# Altium PCB 0020-03_FFT2G.PcbDoc (part 2 of 16)
Units mm, origin at the board's own origin, x right, y up, seen from the top; angles counter-clockwise.
Board outline 195 x 104.5 mm, 12 copper layers (Top Layer, GND1, LVDS1, PWR1, LVDS2, PWR2, LVDS3, PWR3, SIG1, SIG2, GND2, Bottom Layer), stack 1.422 mm thick; 721 components, 650 nets, 4014 pads, 3497 vias.
Unrouted connection lines stored in the file: 78.
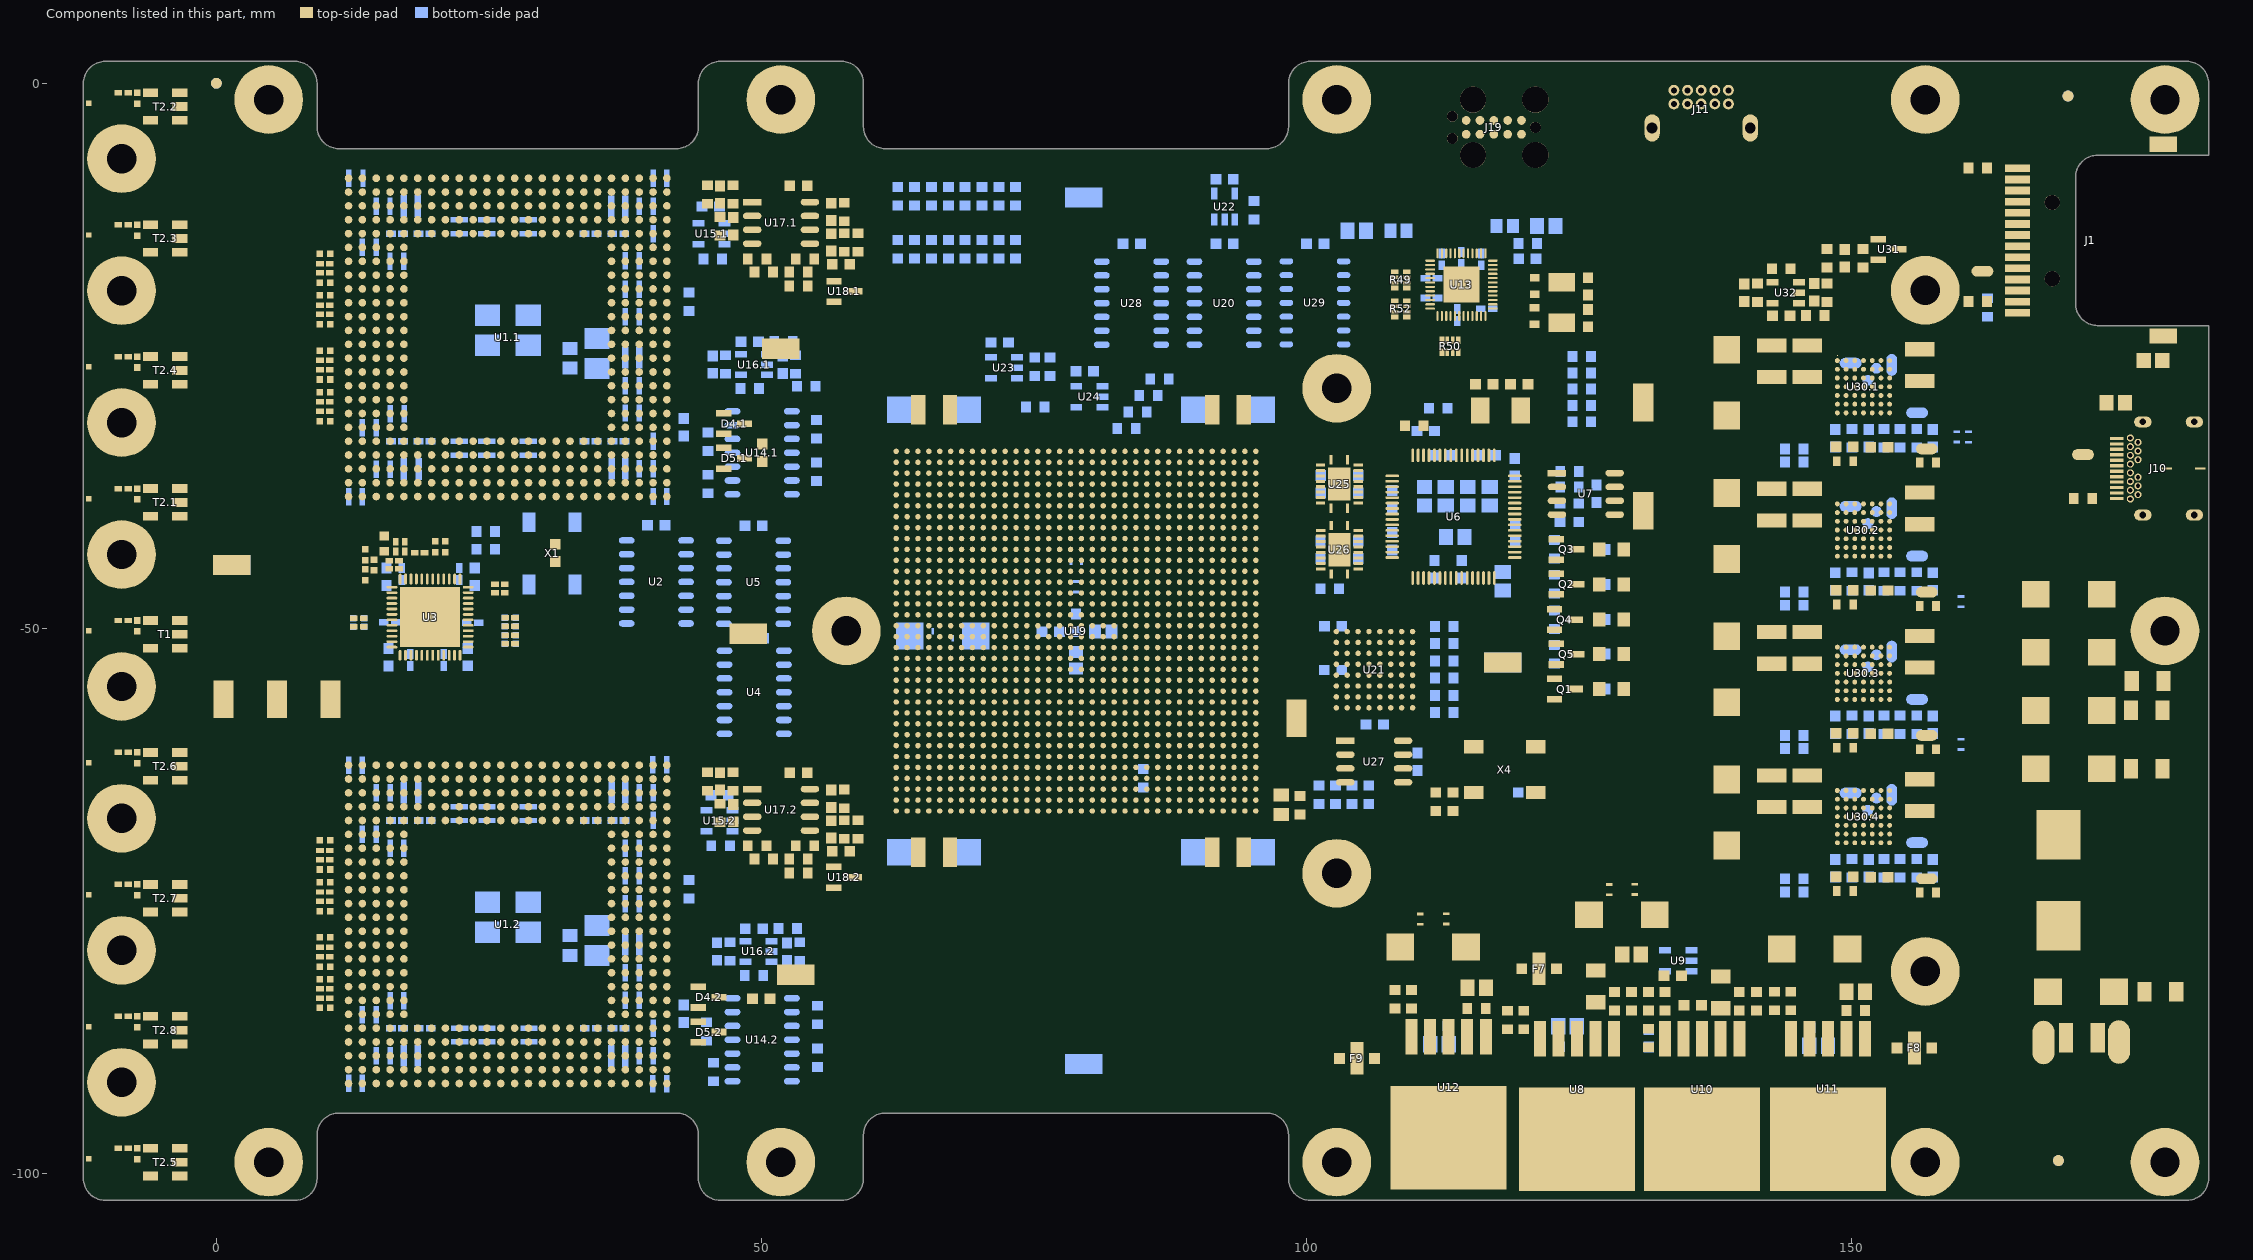
[diagram p12: the components of this part, seen from the top]

## Components (designator, comment, footprint, x,y, rotation, side; value= is the part's Value field where it differs from the comment) (continued)
C180 "100n 10% 50V X7R" CAPC1608X90N 110.207,-62.266 r90 bottom
C181 "100n 10% 50V X7R" CAPC1608X90N 83.998,-14.74 r0 bottom
C182 "100n 10% 50V X7R" CAPC1608X90N 100.83,-14.74 r0 bottom
C183 "150u 20% 16V" CAPMP7343X43N 171.1,-83.375 r0 top
C184 "330u 20% 16V" CAPMP7343X43N 169.967,-52.225 r0 top
C185 "4u7 10% 25V X7R" CAPC3225X270N 171.175,-87.6 r0 top
C187.1 "47u 10% 6.3V X7R" CAPC3225X270N 145.991,-25.512 r90 top (schematic designator C187)
C187.2 "47u 10% 6.3V X7R" CAPC3225X270N 145.991,-38.662 r90 top (schematic designator C187)
C187.3 "47u 10% 6.3V X7R" CAPC3225X270N 145.991,-51.811 r90 top (schematic designator C187)
C187.4 "47u 10% 6.3V X7R" CAPC3225X270N 145.991,-64.96 r90 top (schematic designator C187)
C188.1 "47u 10% 6.3V X7R" CAPC3225X270N 142.714,-25.512 r90 top (schematic designator C188)
C188.2 "47u 10% 6.3V X7R" CAPC3225X270N 142.714,-38.662 r90 top (schematic designator C188)
C188.3 "47u 10% 6.3V X7R" CAPC3225X270N 142.714,-51.811 r90 top (schematic designator C188)
C188.4 "47u 10% 6.3V X7R" CAPC3225X270N 142.714,-64.96 r90 top (schematic designator C188)
C189 "47u 10% 6.3V X7R" CAPC3225X270N 92.824,-70.572 r0 top
C190 "47u 10% 6.3V X7R" CAPC3225X270N 65.851,-70.572 r180 top
C191 "47u 10% 6.3V X7R" CAPC3225X270N 65.851,-29.957 r180 top
C192 "47u 10% 6.3V X7R" CAPC3225X270N 92.824,-29.957 r0 top
C193.1 "330u 20% 16V" CAPMP7343X43N 138.575,-27.475 r90 top (schematic designator C193)
C193.2 "330u 20% 16V" CAPMP7343X43N 138.575,-40.624 r90 top (schematic designator C193)
C193.3 "330u 20% 16V" CAPMP7343X43N 138.575,-53.773 r90 top (schematic designator C193)
C193.4 "330u 20% 16V" CAPMP7343X43N 138.575,-66.922 r90 top (schematic designator C193)
C194 "150u 20% 16V" CAPMP7343X43N 169.967,-46.9 r0 top
C195.1 "22u 10% 16V X7R" CAPC3225X270N 156.303,-25.868 r90 top (schematic designator C195)
C195.2 "22u 10% 16V X7R" CAPC3225X270N 156.303,-39.017 r90 top (schematic designator C195)
C195.3 "22u 10% 16V X7R" CAPC3225X270N 156.303,-52.166 r90 top (schematic designator C195)
C195.4 "22u 10% 16V X7R" CAPC3225X270N 156.303,-65.316 r90 top (schematic designator C195)
C197.1 "27p 10% 50V C0G" CAPC1608X90N 148.556,-32.574 r270 bottom (schematic designator C197)
C197.2 "27p 10% 50V C0G" CAPC1608X90N 148.556,-45.723 r270 bottom (schematic designator C197)
C197.3 "27p 10% 50V C0G" CAPC1608X90N 148.556,-58.872 r270 bottom (schematic designator C197)
C197.4 "27p 10% 50V C0G" CAPC1608X90N 148.556,-72.021 r270 bottom (schematic designator C197)
C198.1 "6p8 10% 50V C0G" CAPC1608X90N 149.395,-33.361 r0 top (schematic designator C198)
C198.2 "6p8 10% 50V C0G" CAPC1608X90N 149.395,-46.51 r0 top (schematic designator C198)
C198.3 "6p8 10% 50V C0G" CAPC1608X90N 149.395,-59.659 r0 top (schematic designator C198)
C198.4 "6p8 10% 50V C0G" CAPC1608X90N 149.395,-72.809 r0 top (schematic designator C198)
C199.1 "100n 10% 50V X7R" CAPC1608X90N 157.497,-32.574 r270 bottom (schematic designator C199)
C199.2 "100n 10% 50V X7R" CAPC1608X90N 157.497,-45.723 r270 bottom (schematic designator C199)
C199.3 "100n 10% 50V X7R" CAPC1608X90N 157.497,-58.872 r270 bottom (schematic designator C199)
C199.4 "470n 10% 6.3V X7R" CAPC1608X90N 157.497,-72.021 r270 bottom (schematic designator C199)
C200.1 "100p 10% 50V C0G" CAPC1608X90N 151.625,-32.575 r270 bottom (schematic designator C200)
C200.2 "100p 10% 50V C0G" CAPC1608X90N 151.625,-45.724 r270 bottom (schematic designator C200)
C200.3 "100p 10% 50V C0G" CAPC1608X90N 151.625,-58.873 r270 bottom (schematic designator C200)
C200.4 "100p 10% 50V C0G" CAPC1608X90N 151.625,-72.022 r270 bottom (schematic designator C200)
C201.1 "100n 10% 50V X7R" CAPC1608X90N 152.601,-33.399 r0 top (schematic designator C201)
C201.2 "100n 10% 50V X7R" CAPC1608X90N 152.601,-46.548 r0 top (schematic designator C201)
C201.3 "100n 10% 50V X7R" CAPC1608X90N 152.601,-59.697 r0 top (schematic designator C201)
C201.4 "100n 10% 50V X7R" CAPC1608X90N 152.601,-72.846 r0 top (schematic designator C201)
C202 "1n0 10% 50V C0G" CAPC1608X90N 146.626,-19.19 r90 top
C203 "100n 10% 50V X7R" CAPC1608X90N 143.6,-21.325 r180 top
C204 "100n 10% 50V X7R" CAPC1608X90N 149.425,-16.075 r90 top
C205 "1n0 10% 50V C0G" CAPC1608X90N 140.2,-19.225 r90 top
D1 "LED 0805 GREEN" LED2012-GREEN 128.031,-55.586 r0 top
D2 "LED 0805 RED" LED2012-RED 128.031,-45.994 r180 top
D3 "LED 0805 GREEN" LED2012-GREEN 128.031,-42.775 r180 top
D4.1 "BAV99,235" SOT95P230X110-3N 47.498,-31.234 r0 top (schematic designator D4)
D4.2 "BAV99,235" SOT95P230X110-3N 45.173,-83.859 r0 top (schematic designator D4)
D5.1 "BAV99,235" SOT95P230X110-3N 47.498,-34.409 r0 top (schematic designator D5)
D5.2 "BAV99,235" SOT95P230X110-3N 45.173,-87.059 r0 top (schematic designator D5)
D6 "LED 0805 GREEN" LED2012-GREEN 128.031,-49.21 r0 top
D7 "LED 0805 RED" LED2012-RED 128.031,-52.389 r180 top
F1 "30.0 Ω  @  100.0MHz" INDC2012X11L 78.88,-52.932 r90 bottom
F2 "30.0 Ω  @  100.0MHz" INDC2012X11L 81.382,-50.303 r0 bottom
F3 "30.0 Ω  @  100.0MHz" INDC2012X11N 177.7,-25.45 r0 top
F4 "30.0 Ω  @  100.0MHz" INDC2012X11N 174.275,-29.325 r0 top
F5 "30.0 Ω  @  100.0MHz" INDC2012X11N 114.821,-37.894 r90 bottom
F6 "30.0 Ω  @  100.0MHz" INDC2012X11N 110.858,-37.896 r90 bottom
F7 "2n2 25V/6A" FIL_NFE31P 121.378,-81.25 r180 top
F8 "2n2 25V/6A" FIL_NFE31P 155.8,-88.525 r0 top
F9 "2n2 25V/6A" FIL_NFE31P 104.65,-89.475 r180 top
F12 "30.0 Ω  @  100.0MHz" INDC2012X11L 108.467,-13.533 r0 bottom
F13 "30.0 Ω  @  100.0MHz" INDC2012X11L 118.222,-13.1 r180 bottom
FID1 "FID" FID 169.9,-1.175 r0 top
FID2 "FID" FID 0,0 r90 top
FID3 "FID" FID 169.025,-98.85 r90 top
J1 "7498111120R" 7498111120R-Footprint-1 175.41,-14.44 r90 top
J2 "IOPAD" SMT_IO_PAD_0.5x0.5MM -11.7,-38.143 r0 top
J3 "IOPAD" SMT_IO_PAD_0.5x0.5MM -11.7,-26.036 r0 top
J4 "IOPAD" SMT_IO_PAD_0.5x0.5MM -11.7,-13.928 r0 top
J5 "IOPAD" SMT_IO_PAD_0.5x0.5MM -11.7,-1.821 r0 top
J6 "IOPAD" SMT_IO_PAD_0.5x0.5MM -11.7,-98.678 r0 top
J7 "IOPAD" SMT_IO_PAD_0.5x0.5MM -11.7,-86.571 r0 top
J8 "IOPAD" SMT_IO_PAD_0.5x0.5MM -11.7,-74.464 r0 top
J9 "IOPAD" SMT_IO_PAD_0.5x0.5MM -11.7,-62.357 r0 top
J10 "632723300011" 632723300011 180.3,-35.349 r90 top
J11 "G125-MH11005L5P" G125-MH11005L5P-Footprint-1 136.242,-1.275 r0 top
J12.1 "IOPAD" SMT_IO_PAD_2x1MM 156.95,-33.55 r0 top (schematic designator J12)
J12.2 "IOPAD" SMT_IO_PAD_2x1MM 156.95,-46.699 r0 top (schematic designator J12)
J12.3 "IOPAD" SMT_IO_PAD_2x1MM 156.95,-59.848 r0 top (schematic designator J12)
J12.4 "IOPAD" SMT_IO_PAD_2x1MM 156.95,-72.997 r0 top (schematic designator J12)
J13.1 "IOPAD" SMT_IO_PAD_2x1MM 153.725,-25.85 r270 bottom (schematic designator J13)
J13.2 "IOPAD" SMT_IO_PAD_2x1MM 153.725,-38.999 r270 bottom (schematic designator J13)
J13.3 "IOPAD" SMT_IO_PAD_2x1MM 153.725,-52.148 r270 bottom (schematic designator J13)
J13.4 "IOPAD" SMT_IO_PAD_2x1MM 153.725,-65.297 r270 bottom (schematic designator J13)
J14.1 "TS+" TP-SMD_1MM 151.538,-27.263 r270 bottom (schematic designator J14)
J14.2 "TS+" TP-SMD_1MM 151.538,-40.412 r270 bottom (schematic designator J14)
J14.3 "TS+" TP-SMD_1MM 151.538,-53.561 r270 bottom (schematic designator J14)
J14.4 "TS+" TP-SMD_1MM 151.538,-66.71 r270 bottom (schematic designator J14)
J15 "IOPAD" SMT_IO_PAD_0.5x0.5MM -11.7,-50.25 r0 top
J16.1 "IOPAD" SMT_IO_PAD_2x1MM 149.95,-25.687 r180 bottom (schematic designator J16)
J16.2 "IOPAD" SMT_IO_PAD_2x1MM 149.95,-38.836 r180 bottom (schematic designator J16)
J16.3 "IOPAD" SMT_IO_PAD_2x1MM 149.95,-51.985 r180 bottom (schematic designator J16)
J16.4 "IOPAD" SMT_IO_PAD_2x1MM 149.95,-65.134 r180 bottom (schematic designator J16)
J17 "IOPAD" SMT_IO_PAD_2x1MM 162.05,-17.25 r0 top
J18 "IOPAD" SMT_IO_PAD_2x1MM 171.275,-34.075 r0 top
J19 "TC2050-IDC-NL" "TC2050-IDC without connector" 117.213,-4.049 r180 top
J20.1 "TS-" TP-SMD_1MM 152.325,-26.15 r90 bottom (schematic designator J20)
J20.2 "TS-" TP-SMD_1MM 152.325,-39.3 r90 bottom (schematic designator J20)
J20.3 "TS-" TP-SMD_1MM 152.325,-52.449 r90 bottom (schematic designator J20)
J20.4 "TS-" TP-SMD_1MM 152.325,-65.598 r90 bottom (schematic designator J20)
J21.1 "IOPAD" SMT_IO_PAD_2x1MM 156.049,-30.237 r0 bottom (schematic designator J21)
J21.2 "IOPAD" SMT_IO_PAD_2x1MM 156.049,-43.386 r0 bottom (schematic designator J21)
J21.3 "IOPAD" SMT_IO_PAD_2x1MM 156.049,-56.535 r0 bottom (schematic designator J21)
J21.4 "IOPAD" SMT_IO_PAD_2x1MM 156.049,-69.684 r0 bottom (schematic designator J21)
J22 "IOPAD" SMT_IO_PAD_4x2MM 167.65,-88.025 r270 top
J23 "IOPAD" SMT_IO_PAD_4x2MM 174.575,-87.975 r270 top
L8 "744325072" WE-HCI-1050 169.025,-73.125 r90 top
P1 "M2.5-6.3mm pad" MH6.3-2_7MM -8.7,-55.353 r0 top
P2 "M2.5-6.3mm pad" MH6.3-2_7MM -8.7,-67.46 r0 top
P3 "M2.5-6.3mm pad" MH6.3-2_7MM -8.7,-79.567 r0 top
P4 "M2.5-6.3mm pad" MH6.3-2_7MM -8.7,-91.674 r0 top
P5 "M2.5-6.3mm pad" MH6.3-2_7MM 51.8,-99 r0 top
P6 "M2.5-6.3mm pad" MH6.3-2_7MM 4.8,-1.5 r0 top
P7 "M2.5-6.3mm pad" MH6.3-2_7MM 4.8,-99 r0 top
P8 "M2.5-6.3mm pad" MH6.3-2_7MM 102.8,-1.5 r0 top
P9 "M2.5-6.3mm pad" MH6.3-2_7MM -8.7,-6.925 r0 top
P10 "M2.5-6.3mm pad" MH6.3-2_7MM -8.7,-19.032 r0 top
P11 "M2.5-6.3mm pad" MH6.3-2_7MM -8.7,-31.139 r0 top
P12 "M2.5-6.3mm pad" MH6.3-2_7MM -8.7,-43.246 r0 top
P13 "M2.5-6.3mm pad" MH6.3-2_7MM 102.8,-99 r0 top
P14 "M2.5-6.3mm pad" MH6.3-2_7MM 156.8,-99 r0 top
P15 "M2.5-6.3mm pad" MH6.3-2_7MM 156.8,-1.5 r0 top
P16 "M2.5-6.3mm pad" MH6.3-2_7MM 51.8,-1.5 r0 top
P17 "M2.5-6.3mm pad" MH6.3-2_7MM 178.8,-99 r0 top
P18 "M2.5-6.3mm pad" MH6.3-2_7MM 178.8,-50.25 r0 top
P19 "M2.5-6.3mm pad" MH6.3-2_7MM 178.8,-1.5 r0 top
P20 "M2.5-6.3mm pad" MH6.3-2_7MM 57.8,-50.25 r0 top
P21 "0.10mm Nettie" NETTIE_0.1MM 148.75,-25 r270 top net-tie
P22 "Solder Jumper" SolderJumper-Footprint-1 159.7,-32.452 r270 bottom
P23 "Solder Jumper" SolderJumper-Footprint-1 160.08,-47.573 r270 bottom
P24 "Solder Jumper" SolderJumper-Footprint-1 160.08,-60.659 r270 bottom
P25 "Solder Jumper" SolderJumper-Footprint-1 160.77,-32.467 r90 bottom
P26 "M2.5-6.3mm pad" MH6.3-2_7MM 156.8,-81.5 r0 top
P27 "M2.5-6.3mm pad" MH6.3-2_7MM 156.8,-19 r0 top
P28 "M2.5-6.3mm pad" MH6.3-2_7MM 102.8,-72.5 r0 top
P29 "M2.5-6.3mm pad" MH6.3-2_7MM 102.8,-28 r0 top
P30.1 "Solder Jumper" SolderJumper-Footprint-1 78.9,-43.925 r180 bottom (schematic designator P30)
P30.2 "Solder Jumper" SolderJumper-Footprint-1 65.25,-50.3 r180 bottom (schematic designator P30)
P30.3 "Solder Jumper" SolderJumper-Footprint-1 112.85,-76.675 r270 top (schematic designator P30)
P30.4 "Solder Jumper" SolderJumper-Footprint-1 127.8,-74 r270 top (schematic designator P30)
P31.1 "Solder Jumper" SolderJumper-Footprint-1 78.9,-46.2 r270 bottom (schematic designator P31)
P31.2 "Solder Jumper" SolderJumper-Footprint-1 68.05,-50.925 r0 bottom (schematic designator P31)
P31.3 "Solder Jumper" SolderJumper-Footprint-1 110.475,-76.7 r270 top (schematic designator P31)
P31.4 "Solder Jumper" SolderJumper-Footprint-1 130.125,-73.975 r270 top (schematic designator P31)
PCB1 "LOGO-FULL-SILK" LOGO-FULL-SILK 169.5,-1.875 r0 top
PCB2 "0021-03" PCBNo_SILK 144.225,-4.75 r0 top
Q1 "BSS123" SOT95P230X110-3N 123.739,-55.586 r0 top
Q2 "FDN338P" SOT95P230X110-3N 123.889,-45.959 r0 top
Q3 "FDN338P" SOT95P230X110-3N 123.889,-42.775 r0 top
Q4 "BSS123" SOT95P230X110-3N 123.739,-49.21 r0 top
Q5 "FDN338P" SOT95P230X110-3N 123.889,-52.385 r0 top
R1 "200R 1% 0603" RESC1608N 161.628,-20.036 r180 top value=200
R2 "200R 1% 0603" RESC1608N 161.628,-7.796 r180 top value=200
R3 "0R0 Jumper 0603" RESC1608N 162.525,-20.575 r90 bottom value=0
R4 "0R0 Jumper 0603" RESC1608N 171.275,-38.1 r0 top value=0
R5 "200R 1% 0402" RESC1005L 26.95,-49.041 r0 bottom
R6 "200R 1% 0402" RESC1005L 26.95,-49.841 r0 bottom
R7 "200R 1% 0402" RESC1005L 26.95,-50.641 r0 bottom
R8 "200R 1% 0402" RESC1005L 26.95,-51.441 r0 bottom
R9 "200R 1% 0402" RESC1005L 13.06,-49.11 r180 bottom
R10 "200R 1% 0402" RESC1005L 13.06,-49.855 r180 bottom
R11 "4K12 0.1% 0603" RESC1608N 24.715,-42.759 r0 bottom
R12 "5K1 1% 0603" RESC1608N 24.727,-41.15 r0 bottom
R13 "2K4 1% 0402" RESC1005L 20.07,-42.523 r90 top
R14 "1K2 1% 0402" RESC1005L 20.985,-42.523 r270 top
R15 "330R 1% 0603" RESC1608N 128.306,-55.586 r180 bottom
R16 "27R 1% 0402" RESC1005L 13.646,-43.28 r90 top
R17 "51R 1% 0402" RESC1005L 14.461,-44.206 r90 top
R18 "51R 1% 0402" RESC1005L -7.273,-49.8 r270 top
R19 "27R 1% 0402" RESC1005L 13.646,-45.088 r270 top
R20 "10K 1% 0603" RESC1608N 125.003,-39.425 r90 bottom
R21 "10K 1% 0603" RESC1608N 124.153,-35.621 r0 bottom
R22 "10K 1% 0603" RESC1608N 124.153,-37.044 r0 bottom
R23 "2K2 1% 0603" RESC1608N 123.303,-39.425 r90 bottom
R24 "10K 1% 0603" RESC1608N 109.916,-31.43 r0 top
R25 "12K 1% 0603" RESC1608N 112.125,-29.825 r0 bottom
R26 "10K 1% 0603" RESC1608N 122.771,-45.959 r270 bottom
R27 "10K 1% 0603" RESC1608N 122.771,-42.771 r270 bottom
R28 "330R 1% 0603" RESC1608N 128.306,-45.994 r0 bottom
R29 "330R 1% 0603" RESC1608N 128.306,-42.775 r0 bottom
R30 "0R01 1% 1206" RESC3216N 126.564,-82.872 r270 top
R31 "4K7 1% 0603" RESC1608N 128.293,-84.225 r270 top
R32 "4K7 1% 0603" RESC1608N 119.96,-85.95 r270 top
R33 "2K7 1% 0603" RESC1608N 118.462,-85.95 r90 top
R34 "2K2 1% 0603" RESC1608N 129.842,-84.225 r270 top
R35 "1K0 1% 0603" RESC1608N 131.419,-87.602 r90 top
R36 "2K2 1% 0603" RESC1608N 141.323,-84.225 r270 top
R37 "0R01 1% 1206" RESC3216N 138.036,-83.425 r270 top
R38 "4K7 1% 0603" RESC1608N 139.736,-84.225 r270 top
R39 "4K7 1% 0603" RESC1608N 132.916,-84.225 r270 top
R40 "2K7 1% 0603" RESC1608N 131.419,-84.225 r90 top
R41 "4K7 1% 0603" RESC1608N 150.414,-85.093 r0 top
R42 "4K7 1% 0603" RESC1608N 144.464,-84.221 r270 top
R43 "2K7 1% 0603" RESC1608N 142.962,-84.221 r90 top
R44 "4K7 1% 0603" RESC1608N 115.625,-84.911 r0 top
R45 "1K3 1% 0603" RESC1608N 109.675,-84.061 r270 top
R46 "2K7 1% 0603" RESC1608N 108.164,-84.061 r90 top
R47.1 "680K 1% 0603" RESC1608N 153.001,-32.574 r90 bottom value=680k (schematic designator R47)
R47.2 "680K 1% 0603" RESC1608N 153.001,-45.723 r90 bottom value=680k (schematic designator R47)
R47.3 "680K 1% 0603" RESC1608N 153.001,-58.872 r90 bottom value=680k (schematic designator R47)
R47.4 "680K 1% 0603" RESC1608N 153.001,-72.021 r90 bottom value=680k (schematic designator R47)
R48.1 "90K9 0.1% 0603" RESC1608L 149.445,-34.682 r180 top value=90.9k (schematic designator R48)
R48.2 "90K9 0.1% 0603" RESC1608L 149.445,-47.831 r180 top value=90.9k (schematic designator R48)
R48.3 "90K9 0.1% 0603" RESC1608L 149.445,-60.98 r180 top value=90.9k (schematic designator R48)
R48.4 "90K9 0.1% 0603" RESC1608L 149.445,-74.129 r180 top value=90.9k (schematic designator R48)
R49 "39R 5% 0804" RESCAXS50P100X200X45-8N 108.675,-18.047 r0 top
R50 "39R 5% 0804" RESCAXS50P100X200X45-8N 113.201,-24.141 r90 top
R51 "2K0 1% 0603" RESC1608N 125.275,-25.084 r0 bottom
R52 "39R 5% 0804" RESCAXS50P100X200X45-8N 108.675,-20.709 r0 top
R53 "2K0 1% 0603" RESC1608N 125.275,-26.58 r0 bottom
R54 "2K0 1% 0603" RESC1608N 125.275,-29.57 r0 bottom
R55 "2K0 1% 0603" RESC1608N 125.275,-28.075 r0 bottom
R56 "2K0 1% 0603" RESC1608N 125.275,-31.065 r180 bottom
R57 "2K0 1% 0603" RESC1608N 120.324,-14.69 r180 bottom
R58.1 "4K7 1% 0603" RESC1608N 43.371,-20.052 r270 bottom value=4.7k (schematic designator R58)
R58.2 "4K7 1% 0603" RESC1608N 43.371,-73.964 r270 bottom value=4.7k (schematic designator R58)
R59.1 "4K7 1% 0603" RESC1608N 45.545,-16.114 r180 bottom value=4.7k (schematic designator R59)
R59.2 "4K7 1% 0603" RESC1608N 46.265,-69.97 r180 bottom value=4.7k (schematic designator R59)
R60.1 "4K7 1% 0603" RESC1608N 45.115,-32.904 r270 bottom value=4.7k (schematic designator R60)
R60.2 "4K7 1% 0603" RESC1608N 44.964,-87.006 r270 bottom value=4.7k (schematic designator R60)
R61.1 "4K7 1% 0603" RESC1608N 55.08,-31.747 r270 bottom value=4.7k (schematic designator R61)
R61.2 "4K7 1% 0603" RESC1608N 55.148,-85.497 r270 bottom value=4.7k (schematic designator R61)
R62.1 "4K7 1% 0603" RESC1608N 55.08,-35.66 r270 bottom value=4.7k (schematic designator R62)
R62.2 "4K7 1% 0603" RESC1608N 55.148,-89.419 r270 bottom value=4.7k (schematic designator R62)
R63.1 "0R0 Jumper" RESC2012N 32.453,-25.247 r90 bottom value=0 (schematic designator R63)
R63.2 "0R0 Jumper" RESC2012N 32.453,-79.121 r90 bottom value=0 (schematic designator R63)
R64.1 "4K7 1% 0603" RESC1608N 45.098,-36.782 r270 bottom value=4.7k (schematic designator R64)
R64.2 "4K7 1% 0603" RESC1608N 45.61,-90.73 r270 bottom value=4.7k (schematic designator R64)
R65 "10K 1% 0603" RESC1608N 147.8,-19.225 r270 top
R65.1 "10K 1% 0603" RESC1608N 53.131,-25.814 r90 bottom (schematic designator R65)
R65.2 "10K 1% 0603" RESC1608N 53.531,-79.67 r90 bottom (schematic designator R65)
R66.1 "120K 1% 0603" RESC1608N 54.123,-27.809 r180 bottom (schematic designator R66)
R66.2 "120K 1% 0603" RESC1608N 52.731,-81.67 r0 bottom (schematic designator R66)
R67.1 "100R 1% 0603" RESC1608N 52.031,-23.714 r180 bottom (schematic designator R67)
R67.2 "100R 1% 0603" RESC1608N 52.431,-77.57 r180 bottom (schematic designator R67)
R68.1 "120K 1% 0603" RESC1608N 48.931,-28.014 r180 bottom (schematic designator R68)
R68.2 "120K 1% 0603" RESC1608N 49.331,-81.87 r180 bottom (schematic designator R68)
R69 "10K 1% 0603" RESC1608N 141.4,-19.225 r270 top
R69.1 "10K 1% 0603" RESC1608N 46.731,-25.814 r90 bottom (schematic designator R69)
R69.2 "10K 1% 0603" RESC1608N 47.131,-79.67 r90 bottom (schematic designator R69)
R70.1 "10K 1% 0603" RESC1608N 47.415,-10.214 r270 top (schematic designator R70)
R70.2 "10K 1% 0603" RESC1608N 47.415,-64.07 r270 top (schematic designator R70)
R71.1 "12K 1% 0603" RESC1608N 50.215,-17.314 r0 top (schematic designator R71)
R71.2 "12K 1% 0603" RESC1608N 50.215,-71.17 r0 top (schematic designator R71)
R72.1 "100R 1% 0603" RESC1608N 45.065,-10.214 r90 top (schematic designator R72)
R72.2 "100R 1% 0603" RESC1608N 45.065,-64.07 r90 top (schematic designator R72)
R73.1 "12K 1% 0603" RESC1608N 49.615,-16.114 r0 top (schematic designator R73)
R73.2 "12K 1% 0603" RESC1608N 49.615,-69.97 r0 top (schematic designator R73)
R74.1 "10K 1% 0603" RESC1608N 46.215,-13.114 r90 top (schematic designator R74)
R74.2 "10K 1% 0603" RESC1608N 46.215,-66.97 r90 top (schematic designator R74)
R75.1 "10K 1% 0603" RESC1608N 57.615,-11.814 r270 top (schematic designator R75)
R75.2 "10K 1% 0603" RESC1608N 57.615,-65.67 r270 top (schematic designator R75)
R76.1 "12K 1% 0603" RESC1608N 53.415,-17.314 r180 top (schematic designator R76)
R76.2 "12K 1% 0603" RESC1608N 53.415,-71.17 r180 top (schematic designator R76)
R77.1 "100R 1% 0603" RESC1608N 58.865,-14.614 r90 top (schematic designator R77)
R77.2 "100R 1% 0603" RESC1608N 58.865,-68.47 r90 top (schematic designator R77)
R78.1 "12K 1% 0603" RESC1608N 54.015,-16.114 r180 top (schematic designator R78)
R78.2 "12K 1% 0603" RESC1608N 54.015,-69.97 r180 top (schematic designator R78)
R79.1 "10K 1% 0603" RESC1608N 57.615,-14.614 r90 top (schematic designator R79)
R79.2 "10K 1% 0603" RESC1608N 57.615,-68.47 r90 top (schematic designator R79)
R80.1 "1K0 1% 0603" RESC1608N 53.415,-18.614 r180 top (schematic designator R80)
R80.2 "1K0 1% 0603" RESC1608N 53.415,-72.47 r180 top (schematic designator R80)
R81.1 "51R 1% 0402" RESC1005L 9.965,-28.347 r180 top value=51 (schematic designator R81)